# Altium PCB eps_alpha-test_boost-mppt.PcbDoc
Units mm, origin at the board's own origin, x right, y up, seen from the top; angles counter-clockwise.
Board outline 57 x 35 mm, 2 copper layers (Top Layer, Bottom Layer), stack 1.571 mm thick; 76 components, 43 nets, 203 pads, 41 vias.
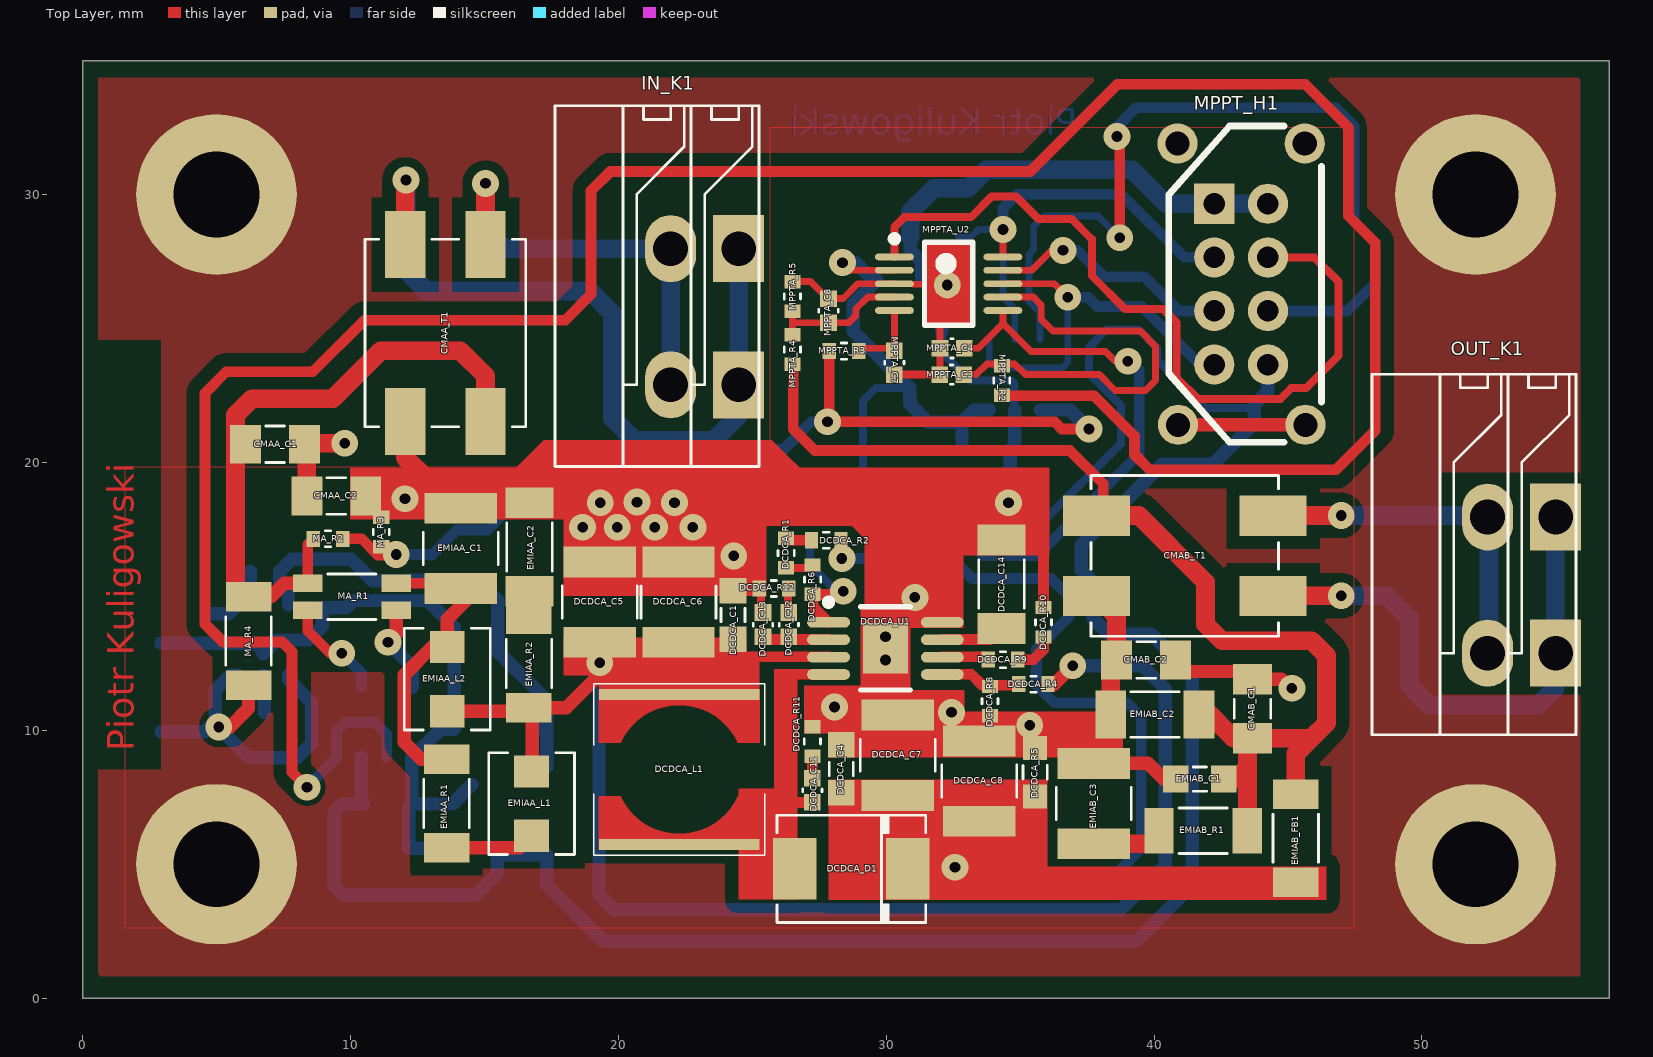
[diagram p0: Top Layer view]
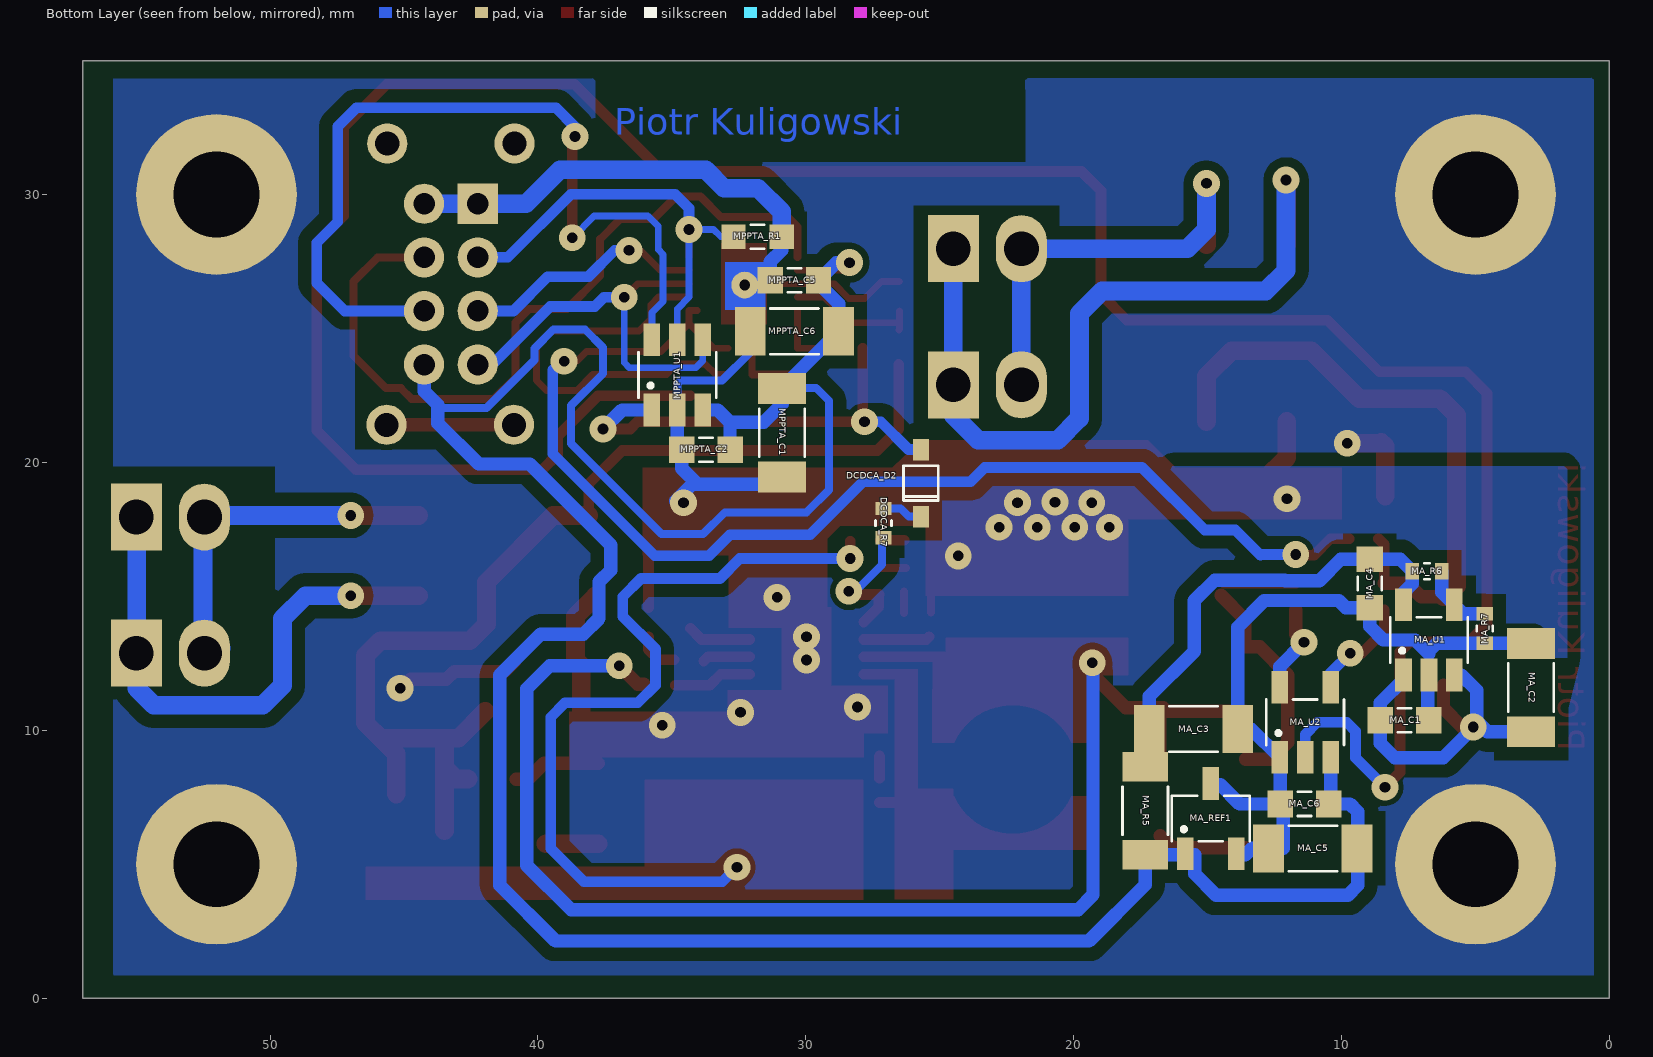
[diagram p1: Bottom Layer view, seen from below]
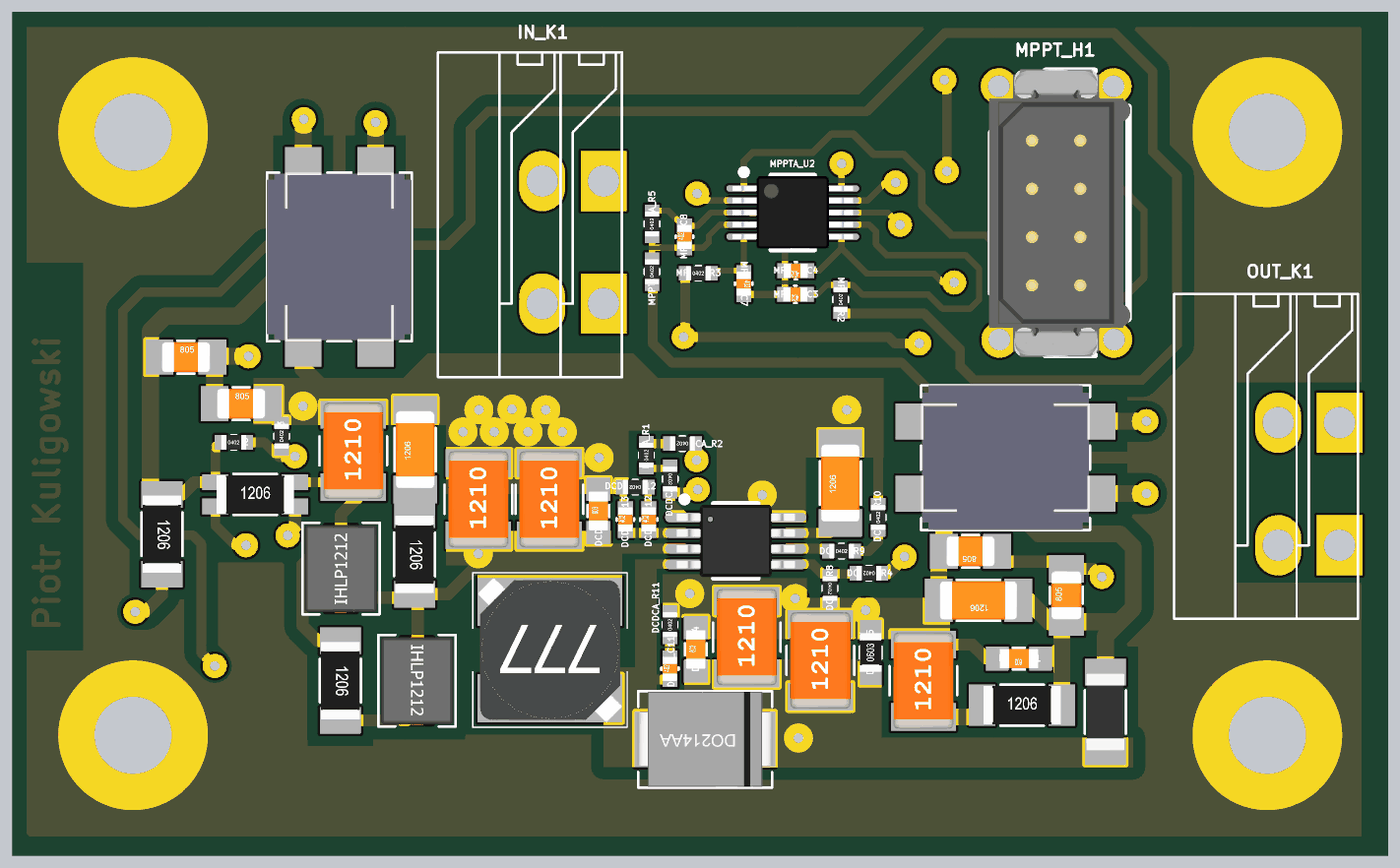
[diagram p2: 3D render of the assembled board from above, using the file's embedded part models]
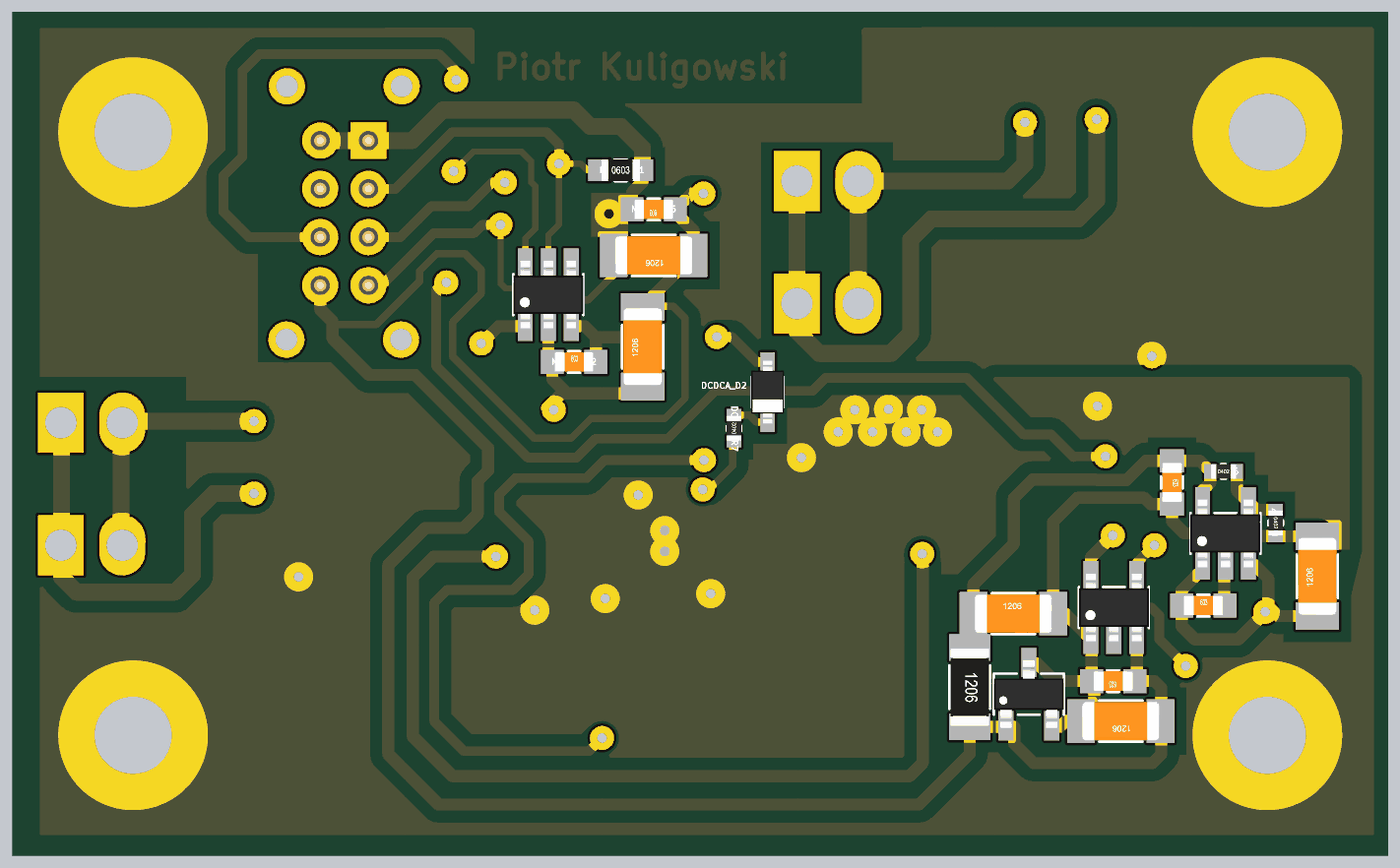
[diagram p3: 3D render of the assembled board from below, using the file's embedded part models]

## Layer stack, top to bottom
Top Solder: solder mask 0.0102, Solder Resist, Dk 3.5
Top Layer: signal copper 0.0356
Dielectric 1: dielectric 1.5, FR-4, Dk 4.8
Bottom Layer: signal copper 0.0356
Bottom Solder: solder mask 0.0102, Solder Resist, Dk 3.5

## Board outline
0,0 57,0 57,35 0,35

## Design rules (kind name [scope] priority, off if disabled: settings)
Clearance "Polygon Bottom" [InPolygon vs OnBottomLayer] p1: gap=0.5
Clearance "Polygon Top" [InPolygon vs OnTopLayer] p2: gap=0.5
Clearance [All] p3: gap=0.2
ComponentClearance [All] p1 off: gap=0.254 collisioncheckmode=3 verticalgap=0.254 showdistances=FALSE
PlaneConnect [All] p1: planeconnectstyle=Direct reliefexpansion=0.508 reliefentries=4 reliefconductorwidth=0.254 reliefairgap=0.254
PolygonConnect [All] p1: connectstyle=Direct reliefconductorwidth=0.254 reliefentries=4 polygonreliefangle="90 Angle" airgapwidth=0.254
RoomDefinition "EMI Filter CH0 A" [InComponentClass('EMI Filter CH0 A')] p1: confinementstyle=ConfineIn formatcopy=TRUE lockcomponents=FALSE outline 11.024,4.242 18.956,4.242 18.956,19.772 11.024,19.772
RoomDefinition "Controlled Boost Converter CH0" [InComponentClass('Controlled Boost Converter CH0')] p2: confinementstyle=ConfineIn formatcopy=TRUE lockcomponents=FALSE outline 16.891,2.678 38.794,2.678 38.794,21.412 16.891,21.412
RoomDefinition "MPPT Interface CH0" [InComponentClass('MPPT Interface CH0')] p3: confinementstyle=ConfineIn formatcopy=TRUE lockcomponents=FALSE outline 24.765,30.581 24.765,17.069 37.717,17.069 37.717,30.581
RoomDefinition top_power [InComponentClass('top_power')] p4: confinementstyle=ConfineIn formatcopy=TRUE lockcomponents=FALSE outline 0,0 56.493,0 56.493,34.493 0,34.493
RoomDefinition "CM Filter CH0 B" [InComponentClass('CM Filter CH0 B')] p5: confinementstyle=ConfineIn formatcopy=TRUE lockcomponents=FALSE outline 35.662,8.926 46.846,8.926 46.846,19.746 35.662,19.746
RoomDefinition "EMI Filter CH0 B" [InComponentClass('EMI Filter CH0 B')] p6: confinementstyle=ConfineIn formatcopy=TRUE lockcomponents=FALSE outline 35.865,3.211 46.99,3.211 46.99,12.279 35.865,12.279
RoomDefinition "Measurements CH0" [InComponentClass('Measurements CH0')] p7: confinementstyle=ConfineIn formatcopy=TRUE lockcomponents=FALSE outline 1.583,2.627 28.1,2.627 28.1,19.797 1.583,19.797
RoomDefinition "CM Filter CH0 A" [InComponentClass('CM Filter CH0 A')] p8: confinementstyle=ConfineIn formatcopy=TRUE lockcomponents=FALSE outline 18.575,17.74 18.575,30.821 4.826,30.821 4.826,17.74
RoutingVias [All] p1: holewidth=0.6 width=1.3 viastyle="Through Hole" minholewidth=0.6 minwidth=1.3 maxholewidth=2 maxwidth=2
SolderMaskExpansion [All] p1: expansion=0.102
Width [All] p1: maxlimit=2 minlimit=0.254 preferedwidth=0.3
28 further rules are at their usual default settings.

## Classes and differential pairs
component class top_power: IN_K1 MPPT_H1 OUT_K1
component class "MPPT Interface CH0": MPPTA_C1 MPPTA_C2 MPPTA_C3 MPPTA_C4 MPPTA_C5 MPPTA_C6 MPPTA_C7 MPPTA_C8 MPPTA_R1 MPPTA_R2 MPPTA_R3 MPPTA_R4 MPPTA_R5 MPPTA_U1 MPPTA_U2
component class "Measurements CH0": MA_C1 MA_C2 MA_C3 MA_C4 MA_C5 MA_C6 MA_R1 MA_R2 MA_R3 MA_R4 MA_R5 MA_R6 MA_R7 MA_REF1 MA_U1 MA_U2
component class "EMI Filter CH0 B": EMIAB_C1 EMIAB_C2 EMIAB_C3 EMIAB_FB1 EMIAB_R1
component class "EMI Filter CH0 A": EMIAA_C1 EMIAA_C2 EMIAA_L1 EMIAA_L2 EMIAA_R1 EMIAA_R2
component class "Controlled Boost Converter CH0": DCDCA_C1 DCDCA_C4 DCDCA_C5 DCDCA_C6 DCDCA_C7 DCDCA_C8 DCDCA_C11 DCDCA_C12 DCDCA_C13 DCDCA_C14 DCDCA_D1 DCDCA_D2 DCDCA_L1 DCDCA_R1 DCDCA_R2 DCDCA_R4 DCDCA_R5 DCDCA_R6 DCDCA_R7 DCDCA_R8 DCDCA_R9 DCDCA_R10 DCDCA_R11 DCDCA_R12 DCDCA_U1
component class "CM Filter CH0 B": CMAB_C1 CMAB_C2 CMAB_T1
component class "CM Filter CH0 A": CMAA_C1 CMAA_C2 CMAA_T1

## Components (designator, comment, footprint, x,y, rotation, side; value= is the part's Value field where it differs from the comment)
CMAA_C1 "100n/100V" SMD_Capacitor_0805 7.188,20.676 r0 top
CMAA_C2 "100n/100V" SMD_Capacitor_0805 9.474,18.745 r0 top
CMAA_T1 "2x10mR/5A" TDK_ACM7060 13.546,24.826 r270 top
CMAB_C1 "100n/100V" SMD_Capacitor_0805 43.671,10.806 r90 top
CMAB_C2 "100n/100V" SMD_Capacitor_0805 39.7,12.624 r180 top
CMAB_T1 "2x10mR/5A" TDK_ACM7060 41.148,16.51 r0 top
DCDCA_C1 "100n/50V" SMD_Capacitor_0603 24.282,14.3 r90 top
DCDCA_C4 "100n/50V" SMD_Capacitor_0603 28.321,8.56 r90 top
DCDCA_C5 "10u/25V" SMD_Capacitor_1210 19.304,14.783 r90 top
DCDCA_C6 "10u/25V" SMD_Capacitor_1210 22.25,14.783 r90 top
DCDCA_C7 "10u/25V" SMD_Capacitor_1210 30.429,9.068 r90 top
DCDCA_C8 "10u/25V" SMD_Capacitor_1210 33.477,8.103 r90 top
DCDCA_C11 "1n/25V" SMD_Capacitor_0402 27.246,7.758 r90 top
DCDCA_C12 "1n/25V" SMD_Capacitor_0402 26.365,13.945 r90 top
DCDCA_C13 "47p/50V" SMD_Capacitor_0402 25.4,13.945 r90 top
DCDCA_C14 "1u/25V" SMD_Capacitor_1206 34.307,15.454 r90 top
DCDCA_D1 "STPS340UY" DO-214AA 28.727,4.826 r180 top
DCDCA_D2 "BAT165" SOD323 25.705,19.228 r90 bottom
DCDCA_L1 "6.8uH/2.1A" Coilcraft_MSS6132 22.276,8.534 r180 top
DCDCA_R1 "4.7k/1%" SMD_Resistor_0402 26.264,16.612 r90 top
DCDCA_R2 "10R/1%" SMD_Resistor_0402 27.762,17.094 r180 top
DCDCA_R4 "15k/1%" SMD_Resistor_0402 35.492,11.72 r180 top
DCDCA_R5 "4.7k/1%" SMD_Resistor_0603 35.56,8.433 r90 top
DCDCA_R6 "75k/1%" SMD_Resistor_0402 27.254,15.621 r270 top
DCDCA_R7 "100k/1%" SMD_Resistor_0402 27.102,17.729 r90 bottom
DCDCA_R8 "10k/1%" SMD_Resistor_0402 33.875,11.085 r270 top
DCDCA_R9 "100k/1%" SMD_Resistor_0402 34.358,12.634 r0 top
DCDCA_R10 "75k/1%" SMD_Resistor_0402 35.873,14.031 r90 top
DCDCA_R11 "10R/1%" SMD_Resistor_0402 27.246,9.586 r90 top
DCDCA_R12 "27k/1%" SMD_Resistor_0402 25.806,15.291 r180 top
DCDCA_U1 "Value" LT-MS8E-8-1880X1680TP_N 29.972,13.056 r0 top
EMIAA_C1 "10u/25V" SMD_Capacitor_1210 14.122,16.789 r90 top
EMIAA_C2 "10u/16V" SMD_Capacitor_1206 16.688,16.84 r90 top
EMIAA_L1 "0.56uH/5.5A" Vishay_IHLP1212 16.764,7.264 r270 top
EMIAA_L2 "1uH/5A" Vishay_IHLP1212 13.614,11.913 r90 top
EMIAA_R1 "0.22R/1%" SMD_Resistor_1206 13.589,7.264 r270 top
EMIAA_R2 "0.33R/1%" SMD_Resistor_1206 16.662,12.497 r270 top
EMIAB_C1 "100n/50V" SMD_Capacitor_0603 41.707,8.179 r180 top
EMIAB_C2 "2.2u/50V" SMD_Capacitor_1206 40.03,10.592 r180 top
EMIAB_C3 "10u/25V" SMD_Capacitor_1210 37.744,7.264 r90 top
EMIAB_FB1 "120R/100MHz" SMD_FerriteBead_1206 45.288,5.969 r270 top
EMIAB_R1 "0.47R/1%" SMD_Resistor_1206 41.834,6.248 r0 top
IN_K1 "TB-2.5-PD-xx" TerminalBlock_Spring_2.54_2-R 24.494,22.896 r90 top
MA_C1 "100n/50V" SMD_Capacitor_0603 7.653,10.374 r180 bottom
MA_C2 "1u/25V" SMD_Capacitor_1206 2.929,11.593 r90 bottom
MA_C3 "10u/16V" SMD_Capacitor_1206 15.527,10.044 r180 bottom
MA_C4 "100n/50V" SMD_Capacitor_0603 8.949,15.479 r270 bottom
MA_C5 "10u/16V" SMD_Capacitor_1206 11.074,5.588 r0 bottom
MA_C6 "100n/50V" SMD_Capacitor_0603 11.387,7.25 r0 bottom
MA_R1 "0.068R/1%" SMD_Resistor-Shunt_1206 10.058,14.986 r0 top
MA_R2 "10k/1%" SMD_Resistor_0402 9.169,17.145 r0 top
MA_R3 "4.7k/1%" SMD_Resistor_0402 11.151,17.399 r90 top
MA_R4 "24R/1%" SMD_Resistor_1206 6.198,13.335 r270 top
MA_R5 "24R/1%" SMD_Resistor_1206 17.331,6.996 r270 bottom
MA_R6 "22k/1%" SMD_Resistor_0402 6.815,15.936 r180 bottom
MA_R7 "13k/1%" SMD_Resistor_0402 4.656,13.803 r270 bottom
MA_REF1 "LM4040-3V 1%" SOT23-3 14.884,6.706 r90 bottom
MA_U1 "LT1761ES5-SD#TRMPBF" SOT23-5 6.739,13.371 r90 bottom
MA_U2 "MAX4372" SOT23-5 11.362,10.298 r90 bottom
MPPT_H1 "Harwin DataMate L-Tek 2x4pin" Harwin_Datamate_L-Tek_M80-8670805 42.248,29.652 r270 top
MPPTA_C1 "1u/25V" SMD_Capacitor_1206 30.884,21.107 r90 bottom
MPPTA_C2 "100n/50V" SMD_Capacitor_0603 33.729,20.472 r180 bottom
MPPTA_C3 "10n/50V" SMD_Capacitor_0402 32.444,23.277 r180 top
MPPTA_C4 "10n/50V" SMD_Capacitor_0402 32.459,24.257 r180 top
MPPTA_C5 "100n/50V" SMD_Capacitor_0603 30.427,26.797 r0 bottom
MPPTA_C6 "1u/25V" SMD_Capacitor_1206 30.427,24.892 r0 bottom
MPPTA_C7 "10n/50V" SMD_Capacitor_0402 30.302,23.724 r270 top
MPPTA_C8 "10n/50V" SMD_Capacitor_0402 27.846,25.665 r90 top
MPPTA_R1 "1k/1%" SMD_Resistor_0603 31.799,28.422 r180 bottom
MPPTA_R2 "220R/1%" SMD_Resistor_0402 34.315,23.063 r90 top
MPPTA_R3 "10k/1%" SMD_Resistor_0402 28.423,24.155 r0 top
MPPTA_R4 "22k/1%" SMD_Resistor_0402 26.5,24.217 r90 top
MPPTA_R5 "4.7k/1%" SMD_Resistor_0402 26.5,26.198 r90 top
MPPTA_U1 "DAC121S101" SOT23-6 34.796,23.266 r90 bottom
MPPTA_U2 "ADC124S021CIMM" MUB10A_L 32.332,26.67 r0 top
OUT_K1 "TB-2.5-PD-xx" TerminalBlock_Spring_2.54_2-R 54.991,12.878 r90 top

## Footprints (in the part's own frame and the unit in brackets; to place one, negate y for a bottom-side part, rotate by r counter-clockwise, add the part's x,y. Pads: shape width x height; smd on the part's side, far side on the other; paste and mask are expansions set on the pad)
Coilcraft_MSS6132 [mm] "Coilcraft Shielded Power Inductors – MSS6132 Series."
  rect 6x0.4 smd: 1(0,2.8) 2(0,-2.8)
  Top Layer region: 3,-1 2.185,-0.993 1.521,-1.856 0.544,-2.337 -0.544,-2.337 -1.521,-1.856 -2.185,-0.993 -2.185,-0.993 -3,-1 -3,-3 3,-3
  Top Layer region: -3,1 -2.185,0.993 -1.521,1.856 -0.544,2.337 0.544,2.337 1.521,1.856 2.185,0.993 2.185,0.993 3,1 3,3 -3,3
  silkscreen extent -3.2,-3.2 3.2,3.2, body extent -3,-2.97 3,3, height 3.2
DO-214AA [mm] "JEDEC standard. SMB."
  rect 1.62x2.3 smd: A(2.14,-0.01) K(-2.08,-0.01)
  silkscreen extent -2.75,-2 2.8,2, body extent -2.76,-1.98 2.82,1.97, height 2.65
Harwin_Datamate_L-Tek_M80-8670805 [mm] "Harwin Datamate L-Teck M80-8670805, 2mm pitch, 2x4pin."
  round 1.5 hole 0.9: 0(-2.25,3.375) 0(-2.25,-1.375) 0(8.25,-1.35) 0(8.25,3.4)
  rect 1.5x1.5 hole 0.8: 1(0,0)
  round 1.5 hole 0.8: 2(0,2) 3(2,0) 4(2,2) 5(4,0) 6(4,2) 7(6,0) 8(6,2)
  silkscreen extent -2.9,-1.7 8.9,4, body extent -2.95,-1.77 8.95,4.08, height 8.35
LT-MS8E-8-1880X1680TP_N [mm] "SOP, 8-Leads, Body 3x3mm, Pitch 0.65mm, Thermal Pad 1.88x1.68mm, IPC Medium Density"
  oval 1.6x0.4 smd: 1(-2.125,0.975) 2(-2.125,0.325) 3(-2.125,-0.325) 4(-2.125,-0.975) 5(2.125,-0.975) 6(2.125,-0.325) 7(2.125,0.325) 8(2.125,0.975)
  rect 1.68x1.88 smd: 9(0,0)
  silkscreen extent -2.25,-1.55 0.92,1.85, body extent -2.45,-1.5 2.45,1.5, height 1.15
MUB10A_L [mm] "TSSOP, 10-Leads, Body 3x3mm, Pitch 0.5mm, IPC High Density"
  oval 1.45x0.25 smd: 1(-2.025,1) 2(-2.025,0.5) 3(-2.025,0) 4(-2.025,-0.5) 5(-2.025,-1) 6(2.025,-1) 7(2.025,-0.5) 8(2.025,0) 9(2.025,0.5) 10(2.025,1)
  silkscreen extent -2.15,-1.55 0.9,1.8, body extent -2.5,-1.5 2.5,1.5, height 1.1
SMD_Capacitor_0402 [mm] "SMD Capacitor, Inch 0402, Metric 1005."
  rect 0.62x0.62 smd: 1(-0.45,0) 2(0.45,0)
  silkscreen extent -0.05,-0.36 0.05,0.36, body extent -0.5,-0.3 0.5,0.3, height 0.2
SMD_Capacitor_0603 [mm] "SMD Capacitor, Inch 0603, Metric 1608."
  rect 0.95x1 smd: 1(-0.9,0) 2(0.9,0)
  silkscreen extent -0.25,-0.45 0.25,0.45, body extent -0.8,-0.4 0.8,0.4, height 0.3
SMD_Capacitor_0805 [mm] "SMD Capacitor, Inch 0805, Metric 2012."
  rect 1.15x1.45 smd: 1(-1.1,0) 2(1.1,0)
  silkscreen extent -0.35,-0.68 0.35,0.68, body extent -1,-0.62 1,0.63, height 0.78
SMD_Capacitor_1206 [mm] "SMD Capacitor, Inch 1206, Metric 3216."
  rect 1.15x1.8 smd: 1(-1.65,0) 2(1.65,0)
  silkscreen extent -0.9,-0.85 0.9,0.85, body extent -1.6,-0.8 1.6,0.8, height 1
SMD_Capacitor_1210 [mm] "SMD Capacitor, Inch 1210, Metric 3225."
  rect 1.15x2.7 smd: 1(-1.5,0) 2(1.5,0)
  silkscreen extent -0.6,-1.4 0.6,1.4, body extent -2,-1.24 2,1.24, height 1.7
SMD_FerriteBead_1206 [mm] "SMD Ferrite Bead, Inch 1206, Metric 3216."
  rect 1.1x1.7 smd: 1(-1.65,0) 2(1.65,0)
  silkscreen extent -0.9,-0.85 0.9,0.85, body extent -1.6,-0.8 1.6,0.8, height 1.1
SMD_Resistor-Shunt_1206 [mm] "SMD Shunt Resistor, Inch 1206, Metric 3216."
  rect 1.1x0.65 smd: 1(-1.65,0.5) 2(-1.65,-0.5) 3(1.65,-0.5) 4(1.65,0.5)
  silkscreen extent -0.9,-0.85 0.9,0.85, body extent -1.6,-0.8 1.6,0.8, height 0.7
SMD_Resistor_0402 [mm] "SMD Resistor, Inch 0402, Metric 1005."
  rect 0.5x0.6 smd: 1(-0.55,0) 2(0.55,0)
  silkscreen extent -0.1,-0.3 0.1,0.3, body extent -0.52,-0.3 0.52,0.3, height 0.34
SMD_Resistor_0603 [mm] "SMD Resistor, Inch 0603, Metric 1608."
  rect 0.9x0.9 smd: 1(-0.9,0) 2(0.9,0)
  silkscreen extent -0.25,-0.45 0.25,0.45, body extent -0.8,-0.45 0.8,0.45, height 0.5
SMD_Resistor_1206 [mm] "SMD Resistor, Inch 1206, Metric 3216."
  rect 1.1x1.7 smd: 1(-1.65,0) 2(1.65,0)
  silkscreen extent -0.9,-0.85 0.9,0.85, body extent -1.6,-0.8 1.6,0.8, height 0.8